# KiCad board spudglo_driver_v7p0.kicad_pcb (continued)
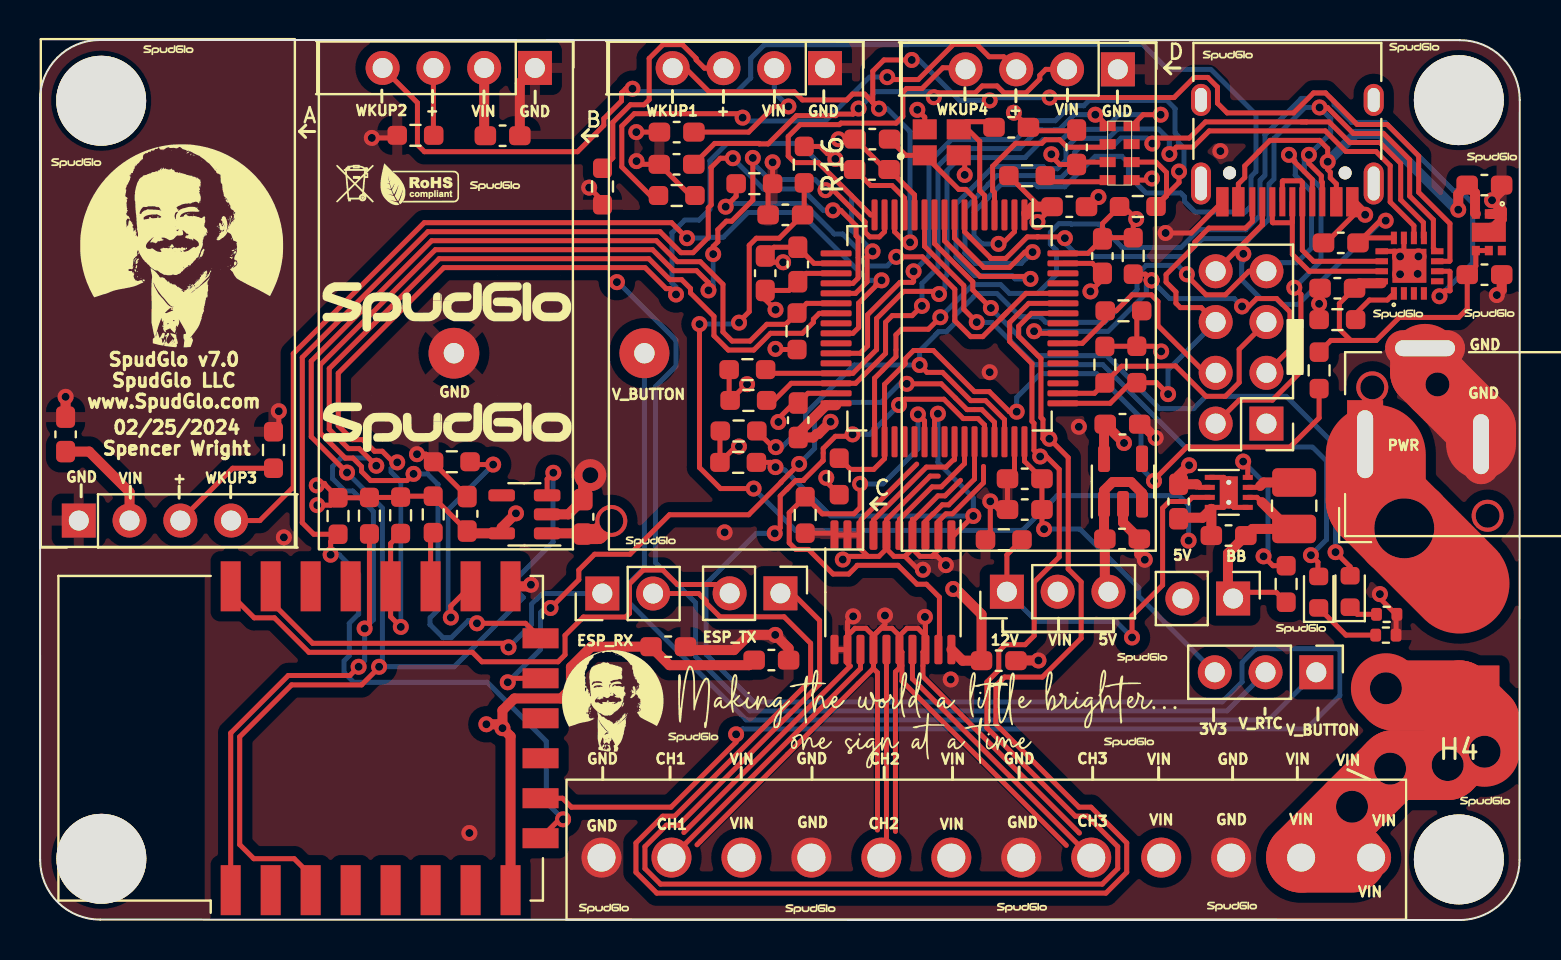
[diagram p0: board, top side]
## Routing (per net, layer and track width the routed paths; a pad name or vN(x,y) marks a point on that pad's centre or on a via; arc(x,y) is an arc through that point)
5V_SWITCH_PG: length 7.7
  Top w0.25: 61.08,18.32 v3(61.21,18.19) 61.68,17.72 R23.2 ; v3(60.19,22.93) 60.42,22.7 U16.8
  Bottom w0.25: v3(61.21,18.19) 61.44,18.42 61.44,21.68 v3(60.19,22.93)
12V_BUCK_EN: length 19.8
  Top w0.25: v3(54.63,14.13) 54.63,15.22 56.16,16.75 56.16,20.61 56.49,20.93 57.43,20.93 57.64,21.14 U16.3 ; J8.1 48.37,18.27 R2.1
  Bottom w0.25: v3(54.63,14.13) 53.82,14.94 49.85,14.94 J8.1
+3V3: length 87.2
  Top w0.25: v3(56.09,28.44) 55.83,28.7 R19.1 ; C11.1 53.21,34.13 R22.1 54.69,34.92 v3(54.84,35.07) 54.21,35.69 54.01,35.69 53.15,34.84 C11.1 ; C11.1 52.43,33.35 U10.64 ; R19.1 54.87,30.23 R21.1 ; R19.1 53.28,28.7 R20.1 ; v3(36.8,30.52) 36.28,31.04 C14.1 37.47,31.49 C10.1 38.33,32.35 U10.19 ; R18.1 34.02,24.44 R14.1 34.81,23.69 v3(34.97,23.69) ; v3(49.9,34.92) 50.63,35.64 C9.1 50.02,35.68 R8.1 ; U10.48 49.25,22.95 C16.1 C17.1 50.13,19.66 v3(50.23,19.55) ; v3(60.2,33.32) 60.2,33.81 61.15,34.77 U12.A8 61.15,34.79 58.82,32.45 ; U10.13 43.25,36.11 42.62,36.74 41.56,36.74 C13.1 40.31,37.54 v3(39.79,38.07) 39.52,38.34 39.39,38.34 39.03,38.7 R16.1 ; U6.12 66.18,34.12 C20.1 67.05,34.98 v3(67.32,34.98) ; v3(35.37,26.8) 35.34,26.8 34.53,25.99 34.48,26.04 R7.1
  Top w0.5: U11.5 53.23,24.74 C18.1 v3(54.23,23.86) ; C9.1 49.66,35.68 49.35,35.37 49.35,35.27 ; 39.83,25.75 39.33,25.75 37.93,24.35 37.93,24.14 38.69,24.14 38.86,24.31 38.94,24.31 v3(39.55,24.92)
  PWR.Cu w0.25: v3(56.09,28.44) 56.34,28.44 57.5,29.61 57.5,31.14 58.82,32.45
  Bottom w0.25: v3(60.2,33.32) 60.2,32.98 60.12,32.9 60.12,32.03 61.06,31.09 61.84,31.09 62.14,30.79 62.94,30.79 67.13,34.98 v3(67.32,34.98) ; v3(50.23,19.55) 52.03,19.55 54.97,16.61 54.97,16.19 J7.3
+5V: length 50.5
  Top w0.5: U9.20 46.15,12.97 C6.1 47.1,15.29 45.78,16.61 ; U14.1 27.14,19.34 C28.1 ; J8.3 53.27,16.6 C15.1 53.23,19.1 U11.1 53.23,21.48 53.66,21.91 54.58,21.91 55.13,21.36 U11.3
  Top w1: C28.1 27.93,19.31 v2(28.58,19.96)
  PWR.Cu w1: v2(28.58,19.96) 28.58,18.85 29.19,18.24 37.84,18.24 39.66,16.42 45.55,16.42 v3(45.68,16.56) 47.52,18.39 52.68,18.39 53.45,17.62 J8.3
  PWR.Cu w1.5: 57.14,16.39 53.48,16.39 J8.3
GND1: length 216.8
  Top w0.25: U9.16 43,12.61 42.8,12.41 42.8,4.43 ; U9.16 43.12,13.4 43.12,11.96 51.34,3.73 ; U9.16 43,14.22 ; 42.35,18.57 41.97,18.19 41.42,18.19 ; 42.35,18.57 U9.6 42.35,20.02 44.53,22.21 44.94,22.21 ; 42.35,18.57 42.72,18.19 43.27,18.19 ; v3(36.65,37.9) R15.2 36.43,36.61 C8.2 ; v3(66.29,35.28) 65.74,35.28 64.33,33.87 C20.2 ; 44.62,18.19 44.88,18.19 v3(45.32,17.75) ; 44.62,18.19 44.95,18.52 44.95,19.94 45.32,20.32 45.65,20.32 47.2,21.87 47.2,22.69 ; 44.62,18.19 44.02,18.19 43.65,18.57 ; U9.4 43.65,18.57 ; U9.4 43.65,19.94 44.92,21.22 45.27,21.22 46.05,21.99 ; U9.4 43.65,20.05 ; 43.65,18.57 43.27,18.19 ; U16.4 59.22,20.64 U16.9 59.72,20.64 U16.5 ; v3(52.95,36.17) 52.47,35.68 C9.2 ; v3(42.27,15.23) 42.27,14.79 41.7,14.22 ; v3(29.83,39.41) C26.2 ; v3(36.79,28.57) 36.83,28.54 R25.1 ; v3(39.34,22.12) 39.34,21.92 R35.2 ; 41.7,14.22 U9.14 ; 41.7,14.22 41.32,14.59 40.77,14.59 40.4,14.22 U9.12 ; 41.7,14.22 42.07,14.59 42.62,14.59 43,14.22 ; U9.14 41.7,12.57 41.9,12.37 41.9,4.5 ; U9.14 41.7,12.59 32.87,3.76 ; U10.63 52.65,32.85 C11.2 53.15,32.04 v3(52.55,31.44) ; U9.12 40.4,14.91 v3(40.68,15.19) ; U9.12 U9.11 ; U9.12 40.4,12.84 40.53,12.7 32.21,4.38 ; R4.2 11.95,24.69 v3(11.95,25.45) ; R37.2 67.84,15.25 R39.2 67.83,15.29 67.03,16.09 v3(67.03,16.3) ; R3.2 28.14,35.97 v3(27.47,36.64) ; R1.2 32.54,36.24 C1.2 30,37.8 v3(29.84,37.96) ; U9.8 41.05,18.57 41.42,18.19 ; U9.8 41.08,19.29 41.08,20.03 43.86,22.81 ; U9.8 U9.9 U9.10 39.65,19.35 R17.2 ; 52,4.35 44.17,12.18 44.17,13.4 U9.18 ; v3(39.95,39.05) 39.96,39.06 C3.2 42.3,37.54 C13.2 43.75,36.27 U10.12 ; v3(46.26,37.27) 46.26,37.95 U8.2 ; U10.47 48.75,22.42 C16.2 C17.2 47.95,20.53 v3(47.54,20.94) 47.54,19.26 R2.2 ; U5.5 55.55,37.01 v3(55.63,37.09) ; v3(43.89,40.53) 44.26,40.16 U8.4 ; v3(44.17,17.52) 43.94,17.52 43.27,18.19 ; U12.A12 57.59,34.37 v3(56.31,34.37) ; U6.13 67.78,33.45 v3(68.04,33.19) U6.EPAD 68.23,33 U6.11 ; U9.18 44.3,14.22 43.92,14.59 43.37,14.59 43,14.22 ; U9.18 44.3,15.14 v3(44.27,15.16) ; U10.31 38.42,26.35 C12.2 37.72,25.86 36.97,25.11 36.97,24.94 v3(36.94,24.91) ; v3(16.6,39.12) 17.74,39.12 R5.2 ; C27.2 51.82,39.48 49.62,39.48 C7.2 v3(48.72,40.38) 48.65,40.45 ; U16.9 59.22,22.14 U16.1 ; v3(37.17,32.9) 36.6,32.9 C14.2 36.72,33.65 C10.2 38.72,32.85 U10.18 ; v3(40.16,18.03) 40.32,18.19 41.42,18.19 ; C29.2 19.69,22.86 R13.1 19.31,23.3 v3(18.86,23.3)
  Top w0.5: C23.2 73.13,31.51 v3(72.88,31.26) ; v3(55.81,24.11) 55.12,24.8 C18.2 ; U12.A1 66.29,35.28 v3(66.29,35.28) ; U11.2 54.18,19.88 55,19.06 55,18.3 v3(55.27,18.02) ; U13.1 73.13,35.51 v3(72.64,36) 73.12,36.48 C22.2 ; U13.1 73.13,35.05 U13.EPAD ; U13.1 72.53,35.32 ; C25.2 58.6,20.56 58.16,20.12 57.01,20.12 C24.2 ; v4(27.53,22.25) 27.17,21.89 C28.2 26.43,20.29 U14.2 ; C30.2 37.45,13.59 v3(36.78,14.26) 35.48,14.26 34.72,13.5 32.46,13.5 C31.2 ; C6.2 48.84,12.98 v3(49.95,12.98) ; U3.1 24.01,41.87 C19.2 ; v3(63.99,30.82) R10.2 63.99,31.55 C21.2 ; U15.15 24.48,16.69 v3(24.56,16.77) ; v3(1.28,26.17) C2.2
  Top w3.5: J2.2 72.09,24.61 v5(69.91,26.79) 69.29,27.41 69.29,28.07
  vias: v3(12.2,19.14) v3(21.48,4.35) v3(34.25,19.39) v3(45.56,12.03) v3(47.51,27.4) v3(51.97,24.67) v3(59.05,38.46) v3(68.04,32.3) v3(68.96,33.19) v3(68.92,32.32)
VBUS: length 16.7
  Top w0.25: 65.57,28.99 65,29.56 65,30.84 C21.1 ; 65.57,28.99 66.85,28.99 68,30.14 70.97,30.14 71.4,30.57 C23.1 71.83,32.71 U13.4 U13.5 ; 65.57,28.99 64.58,28.99 R34.1
  Top w0.5: 67.12,31.85 66.01,31.85 C21.1
VBUS_PRESENT: length 38
  Top w0.25: v3(48.86,25.43) 48.5,25.43 47.49,26.43 46.75,26.43 44.69,28.49 43.7,28.49 43.28,28.06 43.28,27.82 42.25,26.79 U10.34 42.25,23.08 41.71,22.54 40.54,22.54 R35.1 ; v3(55.73,21.96) 55.73,22.02 57.39,23.67 57.4,23.66 62.53,23.66 63.99,25.12 R34.2
  Bottom w0.25: v3(48.86,25.43) 48.86,26.14 50.05,27.33 52.86,27.33 55.09,25.11 55.09,22.6 v3(55.73,21.96)
VIN: length 97.5
  Top w0.25: C26.1 35.45,39.41 36.74,40.7 v3(37.44,40.7) ; U1.2 50.32,42.55 50.02,42.25 50.02,42.07 49.33,41.38 48.23,41.38 47.88,41.72 47.13,41.72 46.79,41.38 44.94,41.38 v3(44.72,41.16) ; U16.2 58.01,21.64 57.87,21.78 ; C1.1 33.75,38.85 35.96,38.85 35.99,38.82 36.42,38.82 37.84,40.24 39.81,40.24 39.88,40.31 40.67,40.31 v3(40.95,40.59)
  Top w0.5: C2.1 2.46,23.43 4.48,21.41 U2.2 ; v3(57.49,22.75) 56.96,22.22 C24.1 57.86,21.8 57.87,21.78 ; C19.1 22.22,39.29 U3.2
  Top w3.5: v6(67.33,11.59) 67.69,11.23 F1.2 ; 65.62,3.12 J3.2 v6(65.64,5.67) v6(67.54,7.57) 67.72,7.75 v6(70.42,7.75) 71.01,8.34 F1.2 ; F1.2 72.27,9.98 v6(72.27,8.42)
  PWR.Cu w0.5: J8.2 52.24,15.09 56.3,15.09 56.61,14.78 60.99,14.78 62.06,15.85 62.06,18.54 61.56,19.04 59.42,19.04 57.49,20.98 v3(57.49,22.75)
  PWR.Cu w2.5: 53.36,10.32 53.36,12.77 50.91,15.22 J8.2 50.91,14.64 ; 52.09,13.46 52.09,10.32
  Bottom w0.25: U4.2 36.73,41.41 v3(37.44,40.7) ; v3(40.95,40.59) 41.8,41.44 44.51,41.44 44.72,41.23 v3(44.72,41.16)
/spudglo_v7p0_micro/BOOT0: length 23.9
  Top w0.25: 48.39,30.41 47.16,29.18 46.56,29.18 45.77,29.98 45.77,31.55 44.14,33.17 v3(42.84,33.17) ; U10.60 49.33,31.35 48.09,30.11 48.09,30.1 ; R15.1 34.83,36.21 v3(34.3,35.68)
  Bottom w0.25: v3(42.84,33.17) 42.39,32.72 41.35,32.72 40.93,33.15 40.93,33.54 40.15,34.32 39.74,34.32 38.21,35.84 34.46,35.84 v3(34.3,35.68)
/spudglo_v7p0_micro/GREEN_LED: length 33.3
  Top w0.25: v3(47.57,30.61) 46.67,31.52 46.67,31.92 44.75,33.84 U10.10 ; v3(64.81,18.4) 65.54,17.67 D1.2
  Bottom w0.25: v3(64.81,18.4) 64.81,23.73 62.34,26.2 58.33,26.2 57.71,25.58 56.01,25.58 53.36,28.23 49.93,28.23 47.57,30.59 v3(47.57,30.61)
/spudglo_v7p0_micro/JTDI: length 13.9
  Top w0.25: J1.5 59.99,28.55 59.99,26.89 59.3,26.2 58.33,26.2 56.81,27.72 55.9,27.72 55.89,27.7 54.11,27.7 R20.2 52.75,26.35 U10.50
/spudglo_v7p0_micro/JTDO: length 11.2
  Top w0.25: 58.82,27.37 58.29,27.37 55.93,29.73 55.93,30.94 55.6,31.27 54.63,31.27 53.83,30.47 R21.2 53.29,30 52.14,28.85 U10.55
/spudglo_v7p0_micro/LVL_DIR: length 20.8
  Top w0.25: U10.39 44.75,25.16 v3(44.92,25.33) ; R14.2 36.56,22.89 v3(36.8,22.66) ; U9.1 45.73,19.25 v3(46.69,20.21)
  Bottom w0.25: v3(36.8,22.66) 36.94,22.51 37.25,22.51 39.56,20.21 v3(46.69,20.21) 46.69,21.12 44.92,22.89 v3(44.92,25.33)
/spudglo_v7p0_micro/LVL_EN: length 25.6
  Top w0.25: v3(43.92,25.29) 43.93,25.29 44.25,24.97 U10.38 ; 44.95,13.53 45,13.58 45,16.15 44.35,16.8 43.87,16.8 42.93,17.74 40.89,17.74 40.89,17.73 40.46,17.31 39.68,17.31 38.45,18.54 37.81,18.54 37.48,18.87 37.48,20.37 R17.1 39.14,20.32 40.72,20.32 41.03,20.63 v3(41.03,21.82)
  Bottom w0.25: v3(41.03,21.82) 42.17,21.82 43.92,23.57 v3(43.92,25.29)
/spudglo_v7p0_micro/NJTRST: length 21.1
  Top w0.25: v3(55.61,32) 55.3,32.31 R22.2 ; v3(60.13,30.69) 60.47,30.69 60.87,31.09 61.87,31.09 62.53,30.42 62.53,28.55 J1.3 ; v3(49.73,29.45) 49.84,29.35 U10.56
  Bottom w0.25: v3(49.73,29.45) 53.44,29.45 55.35,31.36 55.35,31.73 v3(55.61,32) 56.52,31.09 59.74,31.09 v3(60.13,30.69)
/spudglo_v7p0_micro/OSC48_HI: length 7.1
  Top w0.25: C7.1 47.45,39.93 46.34,39.93 U8.3 46.41,39.55 47.01,38.95 47.01,36.49 47.25,36.25 U10.5
/spudglo_v7p0_micro/OSC48_LO: length 6.3
  Top w0.25: C3.1 43.31,38.25 U8.1 44.26,38.25 45.96,36.55 46.32,36.55 46.75,36.11 U10.6
/spudglo_v7p0_micro/RED_LED: length 32.8
  Top w0.25: v3(46.86,29.91) 46.22,30.55 46.22,31.73 44.25,33.7 U10.11 ; v3(63.58,18.25) 63.93,17.9 63.93,17.44
  Bottom w0.25: v3(63.58,18.25) 64.36,19.03 64.36,22.95 63.66,23.66 57.29,23.66 53.17,27.78 49.74,27.78 47.63,29.89 47.27,29.89 47.25,29.91 v3(46.86,29.91)
ESP8266_3V3: length 38.3
  Top w0.25: 14.24,21.84 13.95,21.84 v3(13.85,21.74) 14.29,21.74 R31.2 ; 21.37,19.46 19.67,21.16 R12.2 18.09,21.2 R11.2 18.02,21.14 16.48,21.14 16.47,21.12 R31.2 ; v3(13.87,20.75) 14.54,20.75 R31.2
  Top w0.5: 21.37,19.46 21.49,19.34 U14.5 23.1,19.63 v3(23.81,20.34) ; U15.8 23.54,9.19 v3(23.14,9.6) ; v3(23.14,9.6) 22.94,9.79 v3(22.33,9.79) ; v3(23.14,9.6) 23.14,10.49 23.73,11.08 26.07,11.08 26.56,11.57 26.56,12.65 27.58,13.67 C31.1 31.49,12.75 35.47,12.75 C30.1
ESP8266_CSN: length 75.8
  Top w0.25: U15.9 25.99,5.04 v3(26.17,5.04) ; U10.20 40.67,31.85 40.93,32.11 40.93,34.12 40.83,34.22 40.83,34.73 40.06,35.5 v3(39.67,35.5) ; v3(34.66,38.11) 34.04,38.11 33.57,37.64 33.58,37.63 33.58,35.77 33.43,35.62 33.43,34.14 32.67,33.38 32.07,33.38 31.02,34.43 19.41,34.43 13.12,28.15 13.12,19.87 13.7,19.3 R31.1 14.54,18.93 v3(14.54,18.27)
  Bottom w0.25: v3(34.66,38.11) 34.66,38.1 36.19,36.57 38.12,36.57 39.19,35.5 v3(39.67,35.5) ; v3(14.54,18.27) 14.97,18.27 15.94,17.3 15.94,15.31 15.47,14.84 15.47,13.22 15.22,12.97 15.22,12.37 15.69,11.89 22.38,11.89 25.33,8.94 25.33,5.88 v3(26.17,5.04)
ESP8266_EN: length 85.7
  Top w0.25: U15.3 13.54,2.24 12.72,3.07 10.7,3.07 9.99,3.77 9.99,9.17 12.59,11.76 16.09,11.76 16.97,12.64 v3(16.97,12.67) ; v3(25.68,22.37) 25.37,22.06 U14.3 ; v3(15.36,22.38) 13.57,24.17 13.57,27.96 19.59,33.98 30.83,33.98 31.88,32.93 33.03,32.93 34.17,31.8 34.17,29.42 34.62,28.96 35.52,28.96 36.36,29.8 37.31,29.8 R25.2 38.36,30.85 U10.22
  Bottom w0.25: v3(25.68,22.37) 25.67,22.36 25.67,18.91 23.84,17.07 23.84,16.47 24.18,16.13 20.71,12.67 v3(16.97,12.67) 17.13,12.83 17.13,20.61 v3(15.36,22.38)
ESP8266_GPIO0: length 62.8
  Top w0.25: U10.21 40.8,31.35 41.38,31.92 41.38,33.17 v3(41.65,33.45) ; R11.1 17.54,18.83 U15.18 17.54,15.17 v3(18.05,14.66) ; v3(17.87,22.89) 17.68,22.89 17.12,23.45 16.74,23.45 16.16,24.03 15.62,24.03 14.92,24.73 14.92,27.35 20.2,32.63 30.27,32.63 31.32,31.58 31.53,31.58 v3(31.82,31.29)
  Bottom w0.25: v3(31.82,31.29) 31.82,31.66 31.61,31.87 31.61,34.37 32.25,35.01 32.97,35.01 33.51,35.55 33.51,37.98 34.38,38.85 37.98,38.85 40.6,36.23 40.6,34.5 41.65,33.45 v3(41.65,33.45) ; v3(17.87,22.89) 17.56,22.58 17.56,22.42 18.05,21.93 v3(18.05,14.66)
ESP8266_MISO: length 103.5
  Top w0.25: U15.10 26.14,6.09 26.59,5.64 31.57,5.64 34.82,8.9 v3(34.82,9.29) ; U10.44 47.25,24.76 46.93,25.08 46.19,25.08 45.22,26.05 43.27,26.05 v3(42.98,25.76) ; v3(40.65,24.29) 40.56,24.2 39.79,24.2 39.18,23.59 39.18,22.98 39.15,22.95 39.14,22.95 38.2,22.01 38.2,21.99 37.81,21.99 37.36,21.54 ; 37.36,21.54 37.47,21.65 ; 37.36,21.54 37.03,21.21 37.03,19.62 v3(36.76,19.34)
  Bottom w0.25: v3(34.82,9.29) 34.87,9.29 35.14,9.56 63.37,9.56 65.03,11.22 65.03,13.57 60.82,13.57 60.14,12.88 60.14,11.91 59.14,10.91 35.7,10.91 33.33,13.29 33.33,16.83 35.84,19.34 v3(36.76,19.34) ; v3(40.65,24.29) 41.51,24.29 v3(42.98,25.76)
ESP8266_MOSI: length 36.3
  Top w0.25: U15.13 23.6,12.09 v3(23.4,11.89) ; v3(37.98,22.81) 37.07,21.91 37.07,21.89 35.45,20.27 31.49,20.27 29.52,18.3 27.75,18.3 26.96,17.51 26.96,17.02 v3(25.54,15.61) ; U10.45 47.75,24.9 47.12,25.53 46.38,25.53 45.09,26.82 v3(43.36,26.82)
  Bottom w0.25: v3(23.4,11.89) 25.04,13.53 25.04,15.38 25.27,15.61 v3(25.54,15.61) ; v3(43.36,26.82) 43.01,26.82 42.08,25.89 39.5,25.89 38.75,25.15 38.75,23.59 v3(37.98,22.81)
ESP8266_RST: length 71.6
  Top w0.25: v3(16.82,22.72) 15.97,23.58 15.44,23.58 14.47,24.55 14.47,27.59 19.97,33.08 30.46,33.08 31.51,32.03 32.1,32.03 32.54,31.59 32.54,31.37 33.72,30.2 33.72,29.23 34.43,28.51 35.71,28.51 36.55,29.35 38.14,29.35 38.69,29.9 38.69,30.05 38.99,30.35 U10.23 ; v3(15.94,12.67) 15.51,12.23 12.42,12.23 9.54,9.35 U15.1 ; v3(16.24,14.58) 16.48,14.82 R24.1
  Bottom w0.25: v3(15.94,12.67) 16.24,12.97 v3(16.24,14.58) 16.68,15.02 16.68,20.43 15.64,21.46 15.25,21.46 14.64,22.08 14.64,22.68 15.06,23.11 16.44,23.11 v3(16.82,22.72)
ESP8266_RXD: length 20
  Top w0.25: U15.21 11.54,15.94 13.64,13.84 23.24,13.84 v3(23.44,13.64)
  Bottom w0.25: v3(23.44,13.64) 24.59,14.79 24.59,15.8 24.84,16.05 24.86,16.05 25.15,16.33 J6.1
ESP8266_SCK: length 64.7
  Top w0.25: v3(39.3,36.51) 39.69,36.51 41.28,34.92 41.28,34.41 41.51,34.17 41.99,34.17 42.25,34.43 U10.15 ; U15.14 24.29,14.84 v3(21.86,14.84) ; v3(33.44,31.5) 33.44,31.89 32.85,32.48 31.7,32.48 30.65,33.53 19.78,33.53 14.02,27.77 14.02,24.36 15.27,23.11 15.66,23.11 16.09,22.68 16.09,22.44 16.54,21.98 18.35,21.98 v3(18.69,22.32) ; v3(35.66,38.12) 35.66,36.01 34.6,34.96 34.34,34.96 33.91,34.53 33.91,33.93 33.68,33.69 v3(33.68,33.31)
  Bottom w0.25: v3(39.3,36.51) 38.76,37.04 36.49,37.04 35.66,37.87 v3(35.66,38.12) ; v3(21.86,14.84) 21.72,14.98 21.43,14.98 20.57,14.12 20.17,14.12 19.51,14.78 19.51,15.11 19.91,15.51 19.91,21.79 19.39,22.32 v3(18.69,22.32) ; v3(33.68,33.31) 33.68,31.73 v3(33.44,31.5)
ESP8266_TXD: length 30.6
  Top w0.25: U15.22 9.54,16.29 10.72,15.12 11.73,15.12 13.45,13.39 21.64,13.39 22.11,12.92 25.92,12.92 26.27,13.27 26.27,14.24 27.19,15.16 29.31,15.16 29.49,15.34 29.49,16.81 30.18,17.51 31.16,17.51 31.88,16.78 34.06,16.78 J4.2
I2C2_SCL: length 31.3
  Top w0.25: v3(44.98,31.31) 44.84,31.45 43.21,31.45 41.85,30.09 41.85,28.53 40.67,27.35 U10.29 36.49,27.35 R7.2 ; U5.8 55.18,40.28 v3(56.06,40.28)
  Bottom w0.25: v3(56.06,40.28) 53.98,40.28 53.25,39.55 51.64,39.55 51.13,39.04 50.18,39.04 49.28,38.14 46.03,38.14 45.37,37.48 45.37,32.27 45.27,32.17 45.27,31.61 v3(44.98,31.31)
I2C2_SDA: length 27.8
  Top w0.25: R6.2 36.73,25.99 37.58,26.85 U10.30 40.8,26.85 42.3,28.35 42.3,29.9 42.63,30.23 43.63,30.23 v3(44.12,30.72) ; U5.1 52.84,40.28 v3(52.79,40.28)
  Bottom w0.25: v3(44.12,30.72) 44.12,31.84 44.92,32.64 44.92,37.72 45.79,38.59 49,38.59 49.95,39.53 50.13,39.53 50.15,39.51 50.75,39.51 50.77,39.53 50.98,39.53 51.73,40.28 v3(52.79,40.28)
NRST: length 113.6
  Top w0.25: U6.8 69.86,33.45 69.71,33.61 69.71,35.03 68.52,36.22 68.52,38.03 67.21,39.34 65.71,39.34 64.4,40.65 v3(64.01,40.65) ; U10.7 46.25,34.43 46.51,34.17 46.51,34.16 47.56,33.11 47.56,33.09 48.31,33.09 49.39,34.17 49.9,34.17 ; v3(35.7,21.58) 34.04,21.58 32.99,22.63 v3(32.99,29.81) ; 49.9,34.17 51.21,34.17 v3(51.27,34.11) ; 49.9,34.17 49.92,34.19 ; U12.B8 64.15,36.9 64.1,36.95 64.1,37.23 63.48,37.84 v3(63.48,38.28) ; v3(62.75,31.63) 63.08,31.3 63.08,27.44 61.65,26.01 59.99,26.01 58.82,24.83 ; v3(34.97,29.88) 34.97,29.92 35.48,30.43 35.48,33.75 35.84,34.1 36.98,34.1 C8.1 38.23,35.35 R16.2
  PWR.Cu w0.25: v3(57.46,18.98) 58.07,19.58 56.76,20.89 56.76,23.05 58.55,24.83 58.82,24.83
  Bottom w0.25: v3(62.75,31.63) 64.08,32.96 64.08,36.61 63.24,37.44 63.24,38.04 v3(63.48,38.28) 64.57,39.36 64.57,40.09 v3(64.01,40.65) 63.29,40.65 61.73,39.09 61.73,37.06 61.49,36.82 61.49,35.06 60.44,34.01 60.37,34.08 58.14,34.08 57.26,33.19 52.74,33.19 52.57,33.36 51.78,33.36 51.27,33.87 v3(51.27,34.11) ; v3(57.46,18.98) 57.46,20.76 56.99,21.23 50.88,21.23 49.14,19.49 37.8,19.49 v3(35.7,21.58) ; v3(34.97,29.88) 34.9,29.81 v3(32.99,29.81)
RV_8803_CLK_OUT: length 9
  Top w0.25: U10.4 47.75,36.39 47.66,36.49 47.66,37.7 48.81,38.85 50.12,38.85 50.29,39.03 51.02,39.03 51.39,38.65 53.25,38.65 U5.2
RV_8803_INT_N: length 35.9
  Top w0.25: U5.6 55.84,37.91 56.36,37.39 56.36,36.22 R9.2 55.83,35.74 56.98,36.89 v3(56.98,37.44) ; v3(43.7,32.45) 43.7,31.95 43.65,31.9 43.02,31.9 41.4,30.27 41.4,28.72 41.03,28.35 U10.27
  Bottom w0.25: v3(56.98,37.44) 57.23,37.68 57.23,38.62 56.95,38.89 56.95,39.2 56.79,39.36 56.79,40.58 56.36,41.01 52.49,41.01 52.22,40.73 51.55,40.73 50.79,39.98 49.76,39.98 48.82,39.04 45.6,39.04 44.47,37.91 44.47,33.22 v3(43.7,32.45)
SWCLK: length 21
  Top w0.25: v3(56.44,26.31) 55.87,26.88 R19.2 54.56,26.88 53.53,25.85 U10.49 ; 58.82,29.91 58.09,30.63 57.05,30.63 56.83,30.85 56.83,31.41 56.34,31.91 56.34,32.29 57.78,33.73 57.78,33.92 58.47,34.61 60.31,34.61 60.65,34.95 U12.B5
  Bottom w0.25: v3(56.44,26.31) 56.44,27.53 58.82,29.91
SWDIO: length 50.5
  Top w0.25: v3(62.48,38.28) 62.76,38 62.76,37.93 63.65,37.04 U12.A5 ; U10.46 48.25,25.04 47.3,25.98 46.56,25.98 45.15,27.39 44.37,27.39 v3(44,27.76) ; v3(57.37,32.3) 57.37,32.23 58.33,31.27 59.3,31.27 60.48,32.45 J1.7 ; v3(36.81,23.66) 36.67,23.66 R18.2
  Bottom w0.25: v3(62.48,38.28) 62.79,37.96 62.79,37.26 63.61,36.44 63.61,33.62 62.86,32.88 61.78,32.88 J1.7 ; v3(36.81,23.66) 37.12,23.66 38.3,24.83 38.3,25.33 40.73,27.76 v3(44,27.76) 44,28.48 44.95,29.43 45.34,29.43 45.77,29.85 45.77,30.24 46.86,31.34 47.87,31.34 49.03,30.18 50.03,30.18 50.31,29.9 53.25,29.9 54.89,31.53 54.89,32.3 55.33,32.74 56.93,32.74 v3(57.37,32.3)
TIM1_CH1: length 7.8
  Top w0.25: U9.7 41.7,20.01 44.35,22.66 45.33,22.66 45.75,23.08 U10.41 45.75,23.02
TIM1_CH1_SHIFT: length 14.3
  Top w0.25: J3.11 41.05,12.58 U9.13
TIM1_CH2: length 6.3
  Top w0.25: U10.42 46.25,22.83 45.09,21.67 44.63,21.67 43,20.03 U9.5
TIM1_CH2_SHIFT: length 10.5
  Top w0.25: U9.15 42.35,3.38 J3.8
TIM1_CH3: length 5.9
  Top w0.25: U10.43 46.75,22.06 45.46,20.77 45.13,20.77 44.68,20.32 44.67,20.32 44.3,19.94 U9.3
TIM1_CH3_SHIFT: length 14.1
  Top w0.25: U9.17 43.65,12.07 J3.5
USBD+: length 10.6
  Top w0.2: U12.A6 62.68,35.9
  Top w0.25: U12.B6 61.65,34.9 61.68,34.88 62.63,34.88 62.65,34.9 U12.A6 62.65,33.3 63.5,32.45 U6.15
USBD-: length 9.7
  Top w0.25: U12.A7 62.15,36.95 62.18,36.98 63.08,36.98 63.15,36.9 U12.B7 63.15,33.51 63.7,32.95 U6.14
V_BUTTON: length 50.6
  Bottom w0.25: BT1.1 30.24,17.62 29.47,16.85 29.47,15.87 35.33,10.01 61.47,10.01 J7.1
V_RTC: length 82.7
  Top w0.25: v3(50.59,38.31) 50.59,38.21 51.02,37.79 C27.1 51.98,37.91 U5.3 ; 28.75,31.79 v3(28.86,31.91)
  PWR.Cu w0.25: v3(28.86,31.91) 29.79,32.84 29.79,36.49 29.82,36.49 32.3,38.97 35.84,38.97 36.65,39.78 40.25,39.78 40.54,39.49 49.41,39.49 v3(50.59,38.31)
  Bottom w0.25: v3(28.86,31.91) 28.91,31.91 31.81,29 31.81,27.7 30.79,26.68 30.79,17.87 32.8,15.87 32.8,13.18 35.52,10.46 59.38,10.46 J7.2
WKUP1: length 61.1
  Top w0.25: v3(50.51,41.14) 56.73,41.14 57.74,42.15 58.42,42.15 58.91,41.66 58.91,40.86 59.39,40.37 62.71,40.37 63.71,41.37 64.31,41.37 65.89,39.79 67.4,39.79 68.97,38.22 68.97,36.4 70.54,34.84 70.54,32.98 70.51,32.95 U6.7 ; v3(43.61,43.02) 42.22,43.02 41.66,42.46 41.66,40.89 v3(41.97,40.59) 41.68,40.88 41.68,40.89 41.25,41.32 40.65,41.32 40.36,41.02 38.14,41.02 37.73,41.43 33.47,41.43 32.29,42.61 U4.4 ; U10.14 42.75,34.43 43.29,33.9 v3(43.53,33.9)
  Bottom w0.25: v3(50.51,41.14) 50.51,41.13 47.65,41.13 v3(47.51,41) 46,41 43.98,43.02 v3(43.61,43.02) ; v3(43.53,33.9) 43.53,39.44 42.38,40.59 v3(41.97,40.59)
WKUP2: length 77.5
  Top w0.25: U10.2 48.75,34.43 48.14,33.82 v3(47.95,33.82) ; U3.4 18.88,40.88 18.88,38.78 19.23,38.43 26.89,38.43 28.21,39.75 28.21,40.09 29.09,40.97 29.09,41.37 29.3,41.58 v3(29.64,41.58)
  Bottom w0.25: v3(47.95,33.82) 47.13,33.82 46.72,34.23 46.72,35.41 47.44,36.13 47.44,36.15 48.08,36.79 49.81,36.79 49.92,36.68 51.27,36.68 52.79,38.2 54.12,38.2 54.45,37.87 54.45,37.25 55.33,36.37 57.07,36.37 57.26,36.18 57.26,35.95 57.79,35.41 60.29,35.41 60.59,35.71 60.59,37.2 60.83,37.44 60.83,40.29 58.58,42.55 56.42,42.55 55.16,43.81 43.46,43.81 43.44,43.79 36.24,43.79 35.56,43.1 35.56,42.13 34.87,41.44 29.79,41.44 v3(29.64,41.58)
WKUP3: length 49.2
  Top w0.25: U10.25 40.67,29.35 40.95,29.63 40.95,30.86 41.83,31.73 41.83,31.81 42.02,32 v3(42.1,32) 42.13,31.97 42.23,31.97 ; v3(32.37,34.11) 31.59,34.88 19.22,34.88 12.67,28.33 12.67,21.65 11,19.98 U2.4
  Bottom w0.25: v3(42.1,32) 41.42,32 38.02,35.39 35.42,35.39 34.18,34.15 33.5,34.15 33.45,34.11 v3(32.37,34.11)
WKUP4: length 17.6
  Top w0.25: U1.4 46.22,42.63 45.17,42.63 44.13,41.59 43.34,41.59 43.17,41.42 43.17,40.2 42.83,39.86 40.07,39.86 39.99,39.79 38.03,39.79 37.43,39.19 37.43,38.21 37.76,37.88 38.95,37.88 41.56,35.27 U10.16
XR_GPIO: length 54.9
  Top w0.25: v3(70.01,31.2) 70.29,31.48 70.54,31.48 70.54,31.48 70.54,32.42 70.51,32.45 U6.6 ; U10.33 41.75,27.1 42.82,28.17 42.82,29.27 43.1,29.55 44.44,29.55 v3(45.04,30.15)
  Bottom w0.25: v3(70.01,31.2) 71.68,32.87 71.68,35.85 71.04,36.48 70.71,36.48 67.3,39.9 65.63,39.9 64.74,40.79 64.74,40.95 64.31,41.37 63.71,41.37 63.44,41.1 63.1,41.1 61.28,39.28 61.28,37.25 61.04,37.01 61.04,35.25 60.32,34.53 57.96,34.53 57.07,33.64 54.14,33.64 52.98,34.81 51.6,34.81 51.57,34.83 50.97,34.83 50.55,34.41 50.55,33.81 50.85,33.5 50.85,32.28 49.91,31.34 48.5,31.34 48.06,31.79 46.68,31.79 v3(45.04,30.15)
XR_RX: length 43.2
  Top w0.25: U6.10 68.73,34.73 67.55,35.92 67.55,37.73 66.84,38.44 65.33,38.44 64.3,39.47 58.49,39.47 57.68,38.66 56.85,38.66 v3(56.5,38.32) ; U10.9 45.25,33.97 47.03,32.19 49.43,32.19 v3(49.55,32.07)
  Bottom w0.25: v3(49.55,32.07) 48.78,32.07 48.61,32.24 46.76,32.24 45.82,33.18 45.82,35.82 46.55,36.55 46.56,36.55 46.99,36.97 46.99,36.99 47.69,37.69 50.19,37.69 50.29,37.58 50.9,37.58 51.32,38 51.32,38.6 51.82,39.1 53.43,39.1 53.9,39.57 55.95,39.57 56.5,39.01 v3(56.5,38.32)
XR_TX: length 41.7
  Top w0.25: v3(55.65,38.84) 55.92,39.11 57.49,39.11 58.3,39.92 63.36,39.92 ; v3(49.66,33.41) 49.27,33.41 48.5,32.64 47.22,32.64 45.75,34.11 U10.8 ; 63.36,39.92 64.49,39.92 65.52,38.89 67.02,38.89 68.07,37.85 68.07,36.03 69.21,34.89 69.21,34.13 69.21,34.12 U6.9 ; 63.36,39.92 63.09,39.92
  Bottom w0.25: v3(55.65,38.84) 55.37,39.12 54.08,39.12 53.62,38.65 52.01,38.65 51.77,38.41 51.77,37.82 51.08,37.13 50.11,37.13 50,37.24 47.87,37.24 47.44,36.8 47.44,36.79 46.99,36.34 46.99,36.31 46.27,35.59 46.27,33.36 46.79,32.84 49.09,32.84 v3(49.66,33.41)
Net-(D1-K): length 1.5
  Top w0.25: R39.1 65.9,15.29 D1.1
Net-(D3-K): length 3.4
  Top w0.25: R37.1 65.33,14.25 D3.1
Net-(F1-Pad1): length 20.7
  Top w5: 66.82,23.27 66.82,21.02 v1(68.25,19.59) F1.1
  PWR.Cu w1.5: J2.1 66.29,22.62 65.43,21.75 67.33,21.75 ; J2.1 66.55,23.8 68.6,21.75 ; J2.1 66.29,21.55 v1(68.25,19.59)
  vias: v2(66.65,26.64) v2(72.42,20.22)
Net-(J4-Pin_1): length 79.9
  Top w0.25: J4.1 37.64,16.34 39,14.98 39,11.81 31.94,4.74 31.34,4.74 30.27,3.67 30.27,2.57 31.04,1.8 53.14,1.8 53.92,2.57 53.92,3.67 52.39,5.19 51.79,5.19 47.37,9.62 47.37,11.91 47.96,12.5 47.96,13.44 48.29,13.77 49.29,13.77 49.74,14.22 49.74,16.91 50.99,18.16 50.99,22.54 50.34,23.19 v3(50.04,23.19) 49.73,23.5 49.73,24.85 49.63,24.95 49.63,27.83 48.51,28.94 48.51,29.89 49.46,30.85 U10.59
Net-(J5-Pin_1): length 11.7
  Top w0.25: 59.68,16.39 61.85,16.39 R23.1 ; U16.6 60.88,21.14 61.12,20.9
  Top w0.5: 59.68,16.39 59.43,16.64 59.43,18.34 C25.1 60.65,19.56 L1.2 62.46,19.56 61.12,20.9
Net-(J6-Pin_2): length 87
  Top w0.25: U10.58 49.6,30.35 48.96,29.71 48.96,29.2 50.08,28.08 50.08,25.13 50.18,25.03 50.18,24.08 50.18,24.07 v3(50.5,24.07) 51.44,23.13 51.44,17.56 52.09,16.91 52.09,14.09 50.15,12.15 48.25,12.15 47.82,11.72 47.82,9.8 51.98,5.64 52.58,5.64 54.37,3.86 54.37,2.39 53.33,1.35 30.86,1.35 29.82,2.39 29.82,3.86 31.15,5.19 31.75,5.19 38.55,11.99 38.55,13.84 37.23,15.17 34.01,15.17 33.33,15.86 33.33,15.96 32.95,16.33 J6.2
Net-(U1-OUT+): length 26.8
  Top w0.25: v3(42.39,42.16) 42.51,42.04 43.94,42.04 45.7,43.81 46.86,43.81 47.48,43.18 48.21,43.18 U1.3 ; v3(35.15,40.14) 34.96,40.33 29.73,40.33 29.11,39.71 29.11,37.67 30.54,36.24 R1.1
  Bottom w0.25: v3(35.15,40.14) 35.32,39.97 39.31,39.97 41.5,42.16 v3(42.39,42.16)
Net-(U2-OUT+): length 5.7
  Top w0.25: U2.3 9.64,22.6 R4.1
Net-(U3-OUT+): length 3.4
  Top w0.25: R5.1 19.68,39.27 U3.3
Net-(U4-OUT+): length 11.4
  Top w0.25: U4.3 33.24,42.61 32.83,43.03 32.83,43.1 32.14,43.79 31.16,43.79 30.48,43.1 30.48,41.04 30.22,40.78 29.54,40.78 28.66,39.9 28.66,38.12 R3.1
Net-(U5-CLKOE): length 3.3
  Top w0.25: U5.4 53.33,36.93 50.6,36.93 R8.2
Net-(U6-LOWPOWER): length 2.6
  Top w0.25: R10.1 65.82,30.32 66.51,31.01 67.4,31.01 U6.1
Net-(U12-VBUS1): length 21.3
  Top w0.25: U12.A9 59.95,36.82 60.27,37.14 60.27,37.72 60.99,38.44 60.99,38.45 61.54,39 64.01,39 64.42,38.59 v3(64.42,37.93) 64.42,37.54 64.55,37.41 64.55,37.12 64.85,36.82 U12.A4
  Top w0.5: v3(70.95,35.53) 70.95,36.32 71.4,36.76 71.79,36.37 71.79,35.37 71.83,35.33
  Bottom w0.5: v3(64.42,37.93) 65.81,39.32 67.06,39.32 70.85,35.53 v3(70.95,35.53)
Net-(U15-GPIO2): length 2.7
  Top w0.25: U15.17 19.54,19.25 R12.1
Net-(U15-GPIO15): length 11.8
  Top w0.25: v3(20.55,15.13) 20.55,15.71 U15.16 ; v3(22.67,22.78) 21.66,22.78 21.52,22.92
  Bottom w0.25: v3(20.55,15.13) 20.42,15.26 20.42,20.53 v3(22.67,22.78)
Net-(U16-SW): length 2.4
  Top w0.25: 61.04,21.71 60.97,21.64 U16.7
  Top w0.5: L1.1 61.22,21.89 61.04,21.71

## Copper pours and planes (outline as drawn; the poured copper is in the pictures)
+3V3 on PWR.Cu: 62.89,35.72 62.89,30.01 55.27,30.01 55.27,35.72
+3V3 on PWR.Cu: 30.5,38.26 57.17,38.26 57.17,19.21 30.5,19.21
GND1 on Top: -4.68,49.37 80.67,50.16 80.27,-4.92 -5.37,-5.71
GND1 on Bottom: 76.29,48.33 -3.35,46.76 -4.24,-1.96 78.08,-4.31
GND1 on GND.Cu: -4.19,47.06 -5.38,-0.39 80.68,-2.3 77.82,47.53
VIN on PWR.Cu: 26.69,0.16 26.69,7.78 8.91,7.78 8.91,0.16
VIN on PWR.Cu: 26.04,-1.2 73.68,-1.11 74.44,-0.6 74.54,12.53 26.14,12.19
VIN on PWR.Cu: 49.55,16.67 49.55,11.59 52.09,11.59 52.09,16.67
VIN on PWR.Cu: 8.91,7.78 12.72,7.78 12.72,21.75 0.02,21.75 0.02,17.94 8.91,17.94
VIN on PWR.Cu: 49.55,10.96 49.55,17.31 52.09,17.31 52.09,12.86 55.27,12.86 55.27,10.96
VIN on PWR.Cu: 8.91,21.75 8.91,45.88 55.9,45.88 55.9,40.8 11.45,40.8 11.45,21.75
ESP8266_3V3 on PWR.Cu: 13.1,8.94 13.1,22.15 25.68,22.26 25.42,9.05
Net-(F1-Pad1) on PWR.Cu: 62.6,12.86 62.85,30.64 73.94,30.64 76.34,14.73 63.9,14.48

## Text on the board
B.Silkscreen: GND | VIN | + | - | ESP_TX | CH1 | ESP_RX | CH2 | 12V_BEN | CH3 | 5V | SWCLK | JTDO | 3V3 | NRST | BOUT | SWDIO | V_RTC | V_BUTTON | JTDI | NJTRST | 02/25/2024 / Spencer Wright | SpudGlo v7.0 / SpudGlo LLC / www.SpudGlo.com
User.Comments: Approximate box dimensions / 75 mm x 45 mm / Hole measurements / 68 mm x 38 mm / 4 mm diameter
F.Silkscreen: GND | ESP_RX | V_BUTTON | ESP_TX | VIN | + | WKUP3 | WKUP2 | CH1 | WKUP1 | CH2 | WKUP4 | 12V | CH3 | 5V | 3V3 | BB | V_RTC | PWR | SpudGlo v7.0 / SpudGlo LLC / www.SpudGlo.com | 02/25/2024 / Spencer Wright | A | B | C | D
